# KiCad board SmartCubePanel.kicad_pcb (continued)
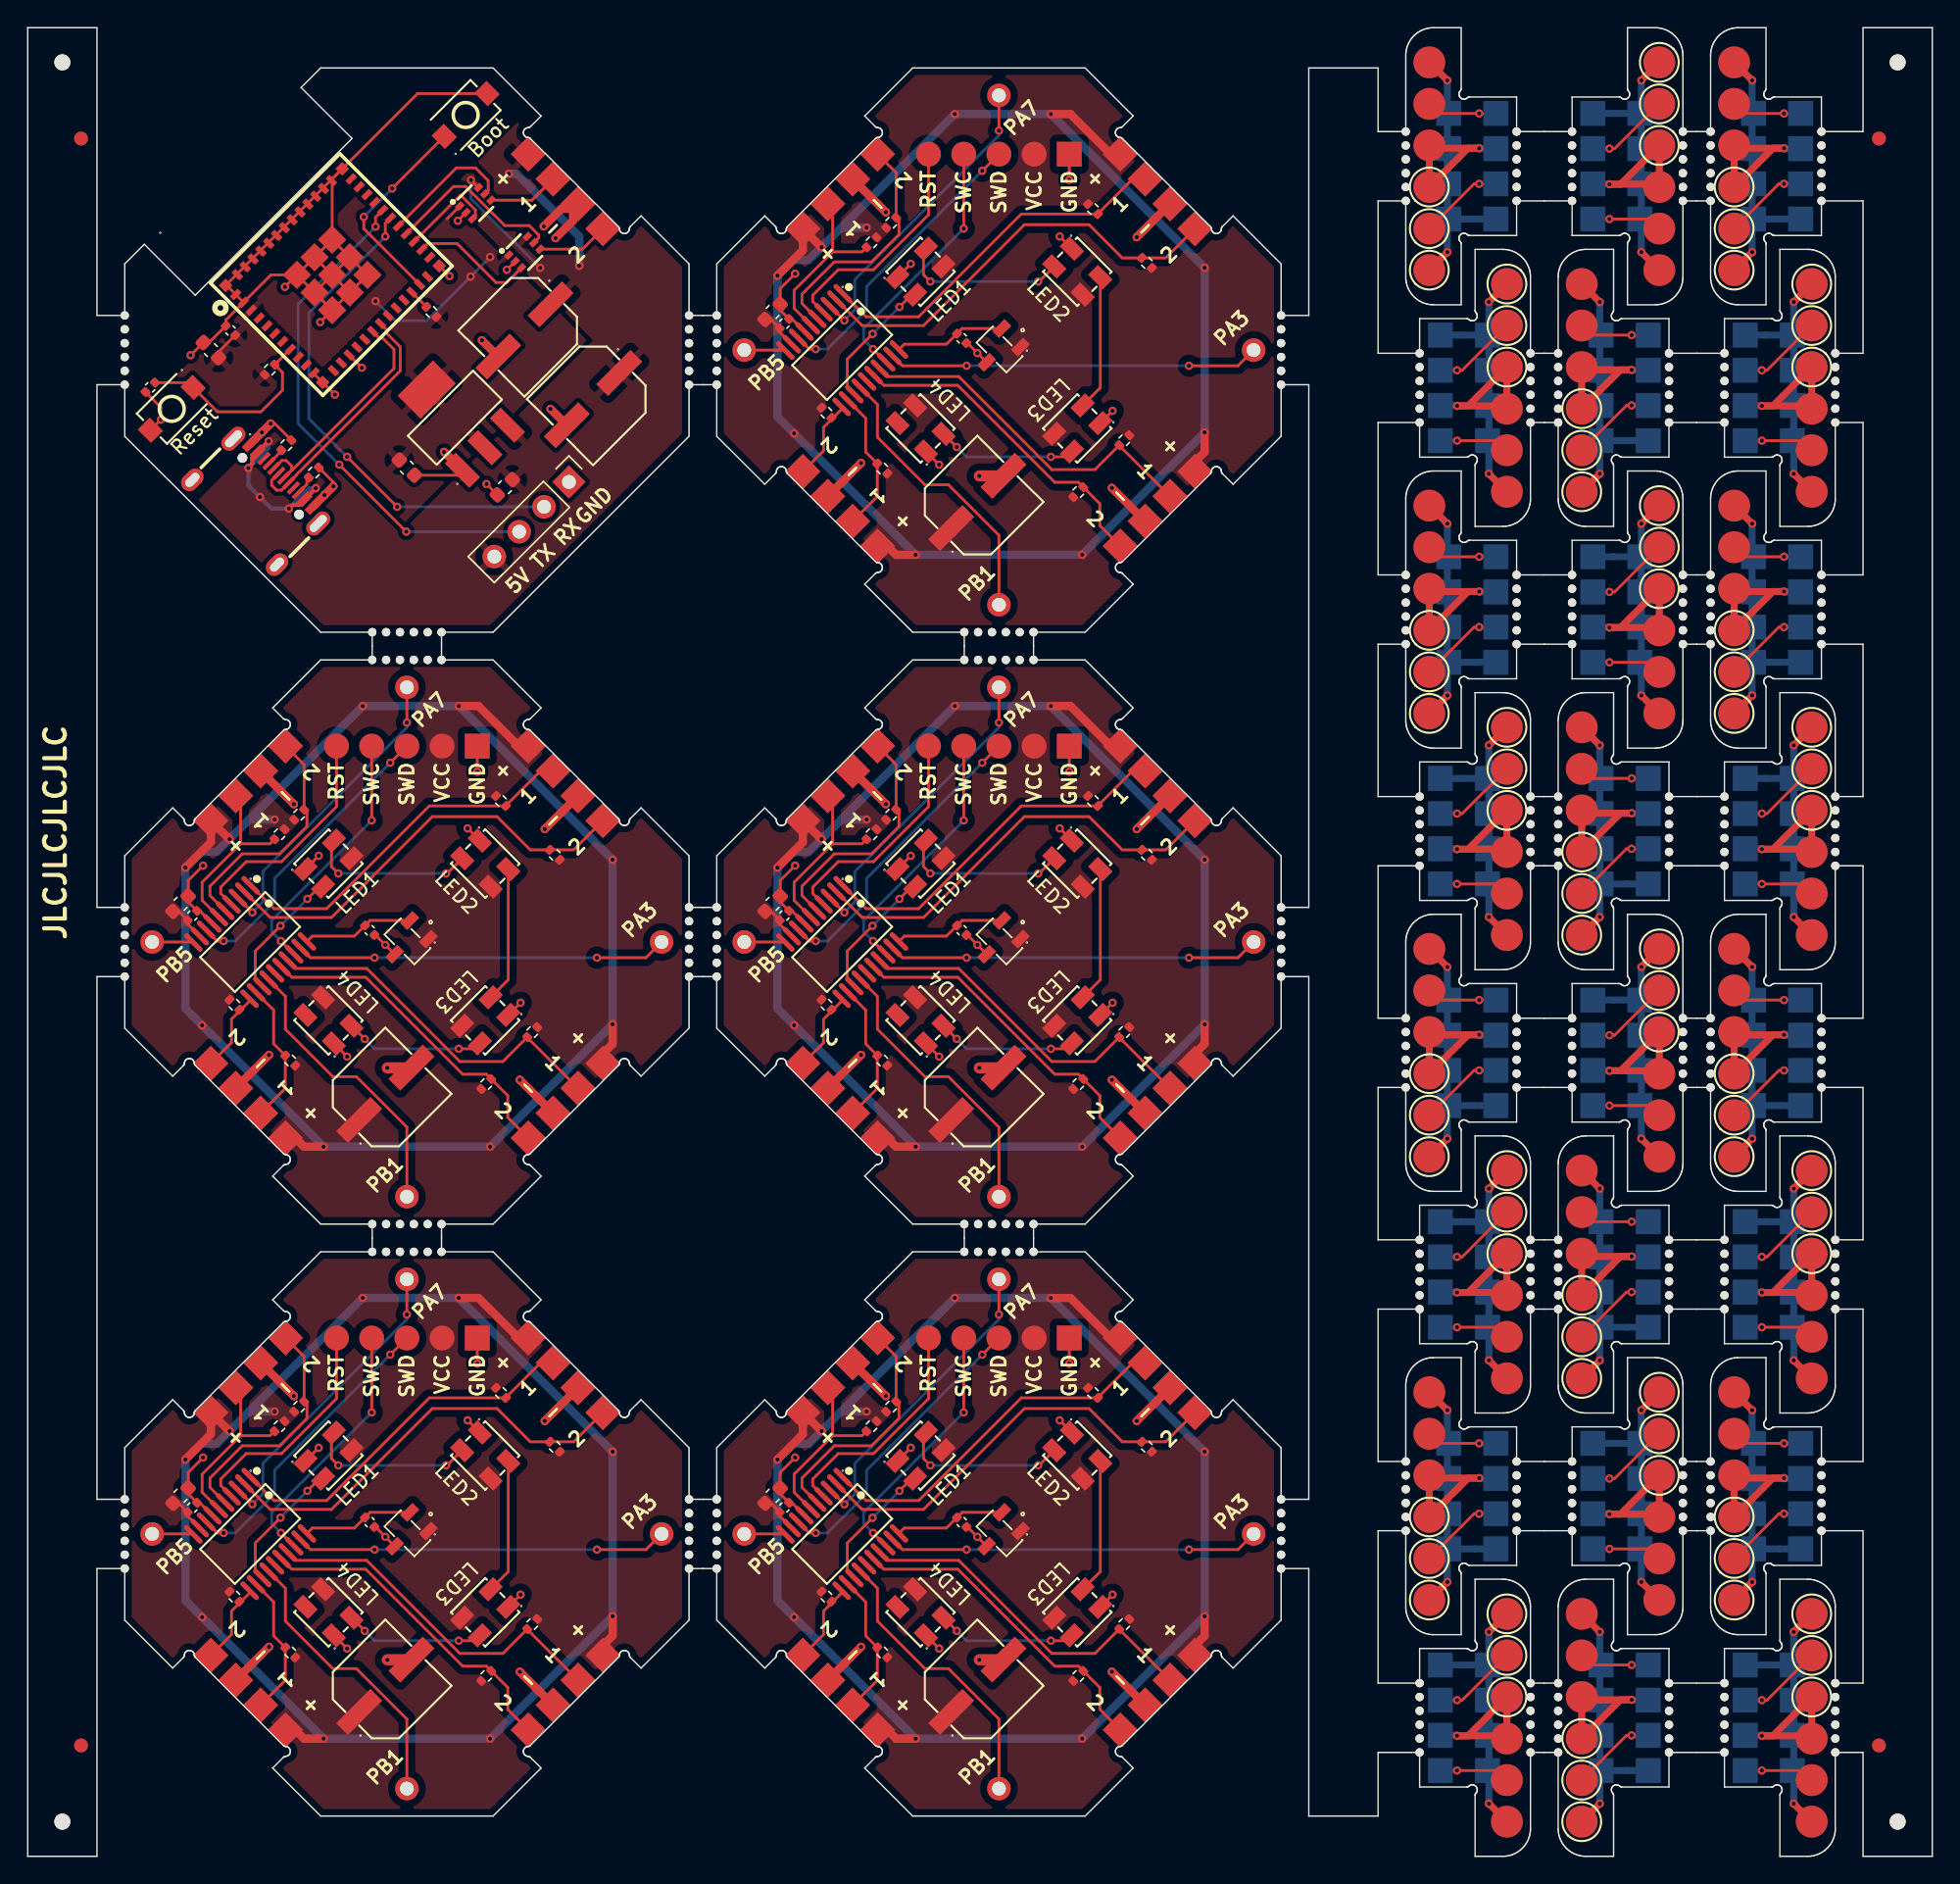
[diagram p0: board, top side]
## Placement (name value [footprint] x y rotation side) (continued)
KiKit_MB_68_2  -  [NPTH]  130.46 11.5 0 top
KiKit_MB_68_3  -  [NPTH]  130.46 10.5 0 top
KiKit_MB_68_4  -  [NPTH]  130.46 9.5 0 top
KiKit_MB_68_5  -  [NPTH]  130.46 8.5 0 top
KiKit_MB_68_6  -  [NPTH]  130.46 7.5 0 top
KiKit_TO_1  -  [NPTH#2]  2.5 129.5 0 top
KiKit_TO_2  -  [NPTH#2]  134.96 129.5 0 top
KiKit_TO_3  -  [NPTH#2]  2.5 2.5 0 top
KiKit_TO_4  -  [NPTH#2]  134.96 2.5 0 top
M_1_C1  10uF  [C_0603_1608Metric]  11.03 68.76 225 top
M_1_C2  100nF  [C_0402_1005Metric]  11.88 67.91 225 top
M_1_C3  10nF  [C_0402_1005Metric]  24.68 66.85 135 top
M_1_C4  470uF Electrolytic  [CAP-SMD_BD6.3-L6.6-W6.6-FD]  25.81 55.04 45 top
M_1_J1  SWD_Programmer  [SWD_Pad]  27.43 80.14 180 top  (not fitted)
M_1_J2  Conn_01x01  [ShieldConnector]  8.84 65.86 45 top  (not fitted)
M_1_J3  Conn_01x01  [ShieldConnector]  27.22 47.47 45 top  (not fitted)
M_1_J4  Conn_01x01  [ShieldConnector]  27.22 84.24 45 top  (not fitted)
M_1_J5  Conn_01x01  [ShieldConnector]  45.61 65.86 45 top  (not fitted)
M_1_LED1  SK6812MINI-HS  [LED-SK6812MINI-HS]  21.71 71.66 225 top
M_1_LED2  SK6812MINI-HS  [LED-SK6812MINI-HS]  33.02 71.66 135 top
M_1_LED3  SK6812MINI-HS  [LED-SK6812MINI-HS]  33.02 60.34 45 top
M_1_LED4  SK6812MINI-HS  [LED-SK6812MINI-HS]  21.71 60.34 315 top
M_1_PinHeaderBottom1  PinHeader  [01x04_PinPads]  38.82 54.54 225 top  (not fitted)
M_1_PinHeaderLeft1  PinHeader  [01x04_PinPads]  15.91 54.54 135 top  (not fitted)
M_1_PinHeaderRight1  PinHeader  [01x04_PinPads]  38.82 77.46 315 top  (not fitted)
M_1_PinHeaderTop1  PinHeader  [01x04_PinPads]  15.91 77.46 45 top  (not fitted)
M_1_R1  10k  [R_0402_1005Metric]  19.59 75.19 45 top
M_1_R2  10k  [R_0402_1005Metric]  18.17 73.78 225 top
M_1_R3  10k  [R_0402_1005Metric]  38.04 72.29 135 top
M_1_R4  10k  [R_0402_1005Metric]  34.15 76.18 315 top
M_1_R5  10k  [R_0402_1005Metric]  33.09 55.75 45 top
M_1_R6  10k  [R_0402_1005Metric]  36.42 59.49 225 top
M_1_R7  10k  [R_0402_1005Metric]  14.92 61.47 315 top
M_1_R8  10k  [R_0402_1005Metric]  18.95 57.44 135 top
M_1_U1  PY32F002BF15P6TU  [Py32]  16.05 66 225 top
M_1_U6  -  [HallLinearSensor]  27.37 66 45 top
M_2_C1  10uF  [C_0603_1608Metric]  11.03 26.03 225 top
M_2_C2  100nF  [C_0402_1005Metric]  11.88 25.18 225 top
M_2_C3  10nF  [C_0402_1005Metric]  24.68 24.12 135 top
M_2_C4  470uF Electrolytic  [CAP-SMD_BD6.3-L6.6-W6.6-FD]  25.81 12.31 45 top
M_2_J1  SWD_Programmer  [SWD_Pad]  27.43 37.41 180 top  (not fitted)
M_2_J2  Conn_01x01  [ShieldConnector]  8.84 23.13 45 top  (not fitted)
M_2_J3  Conn_01x01  [ShieldConnector]  27.22 4.74 45 top  (not fitted)
M_2_J4  Conn_01x01  [ShieldConnector]  27.22 41.51 45 top  (not fitted)
M_2_J5  Conn_01x01  [ShieldConnector]  45.61 23.13 45 top  (not fitted)
M_2_LED1  SK6812MINI-HS  [LED-SK6812MINI-HS]  21.71 28.93 225 top
M_2_LED2  SK6812MINI-HS  [LED-SK6812MINI-HS]  33.02 28.93 135 top
M_2_LED3  SK6812MINI-HS  [LED-SK6812MINI-HS]  33.02 17.61 45 top
M_2_LED4  SK6812MINI-HS  [LED-SK6812MINI-HS]  21.71 17.61 315 top
M_2_PinHeaderBottom1  PinHeader  [01x04_PinPads]  38.82 11.82 225 top  (not fitted)
M_2_PinHeaderLeft1  PinHeader  [01x04_PinPads]  15.91 11.82 135 top  (not fitted)
M_2_PinHeaderRight1  PinHeader  [01x04_PinPads]  38.82 34.73 315 top  (not fitted)
M_2_PinHeaderTop1  PinHeader  [01x04_PinPads]  15.91 34.73 45 top  (not fitted)
M_2_R1  10k  [R_0402_1005Metric]  19.59 32.46 45 top
M_2_R2  10k  [R_0402_1005Metric]  18.17 31.05 225 top
M_2_R3  10k  [R_0402_1005Metric]  38.04 29.56 135 top
M_2_R4  10k  [R_0402_1005Metric]  34.15 33.45 315 top
M_2_R5  10k  [R_0402_1005Metric]  33.09 13.02 45 top
M_2_R6  10k  [R_0402_1005Metric]  36.42 16.77 225 top
M_2_R7  10k  [R_0402_1005Metric]  14.92 18.75 315 top
M_2_R8  10k  [R_0402_1005Metric]  18.95 14.72 135 top
M_2_U1  PY32F002BF15P6TU  [Py32]  16.05 23.27 225 top
M_2_U6  -  [HallLinearSensor]  27.37 23.27 45 top
M_3_C1  10uF  [C_0603_1608Metric]  53.76 111.49 225 top
M_3_C2  100nF  [C_0402_1005Metric]  54.61 110.64 225 top
M_3_C3  10nF  [C_0402_1005Metric]  67.41 109.58 135 top
M_3_C4  470uF Electrolytic  [CAP-SMD_BD6.3-L6.6-W6.6-FD]  68.54 97.77 45 top
M_3_J1  SWD_Programmer  [SWD_Pad]  70.15 122.87 180 top  (not fitted)
M_3_J2  Conn_01x01  [ShieldConnector]  51.57 108.59 45 top  (not fitted)
M_3_J3  Conn_01x01  [ShieldConnector]  69.95 90.2 45 top  (not fitted)
M_3_J4  Conn_01x01  [ShieldConnector]  69.95 126.97 45 top  (not fitted)
M_3_J5  Conn_01x01  [ShieldConnector]  88.34 108.59 45 top  (not fitted)
M_3_LED1  SK6812MINI-HS  [LED-SK6812MINI-HS]  64.44 114.39 225 top
M_3_LED2  SK6812MINI-HS  [LED-SK6812MINI-HS]  75.75 114.39 135 top
M_3_LED3  SK6812MINI-HS  [LED-SK6812MINI-HS]  75.75 103.07 45 top
M_3_LED4  SK6812MINI-HS  [LED-SK6812MINI-HS]  64.44 103.07 315 top
M_3_PinHeaderBottom1  PinHeader  [01x04_PinPads]  81.55 97.27 225 top  (not fitted)
M_3_PinHeaderLeft1  PinHeader  [01x04_PinPads]  58.64 97.27 135 top  (not fitted)
M_3_PinHeaderRight1  PinHeader  [01x04_PinPads]  81.55 120.18 315 top  (not fitted)
M_3_PinHeaderTop1  PinHeader  [01x04_PinPads]  58.64 120.18 45 top  (not fitted)
M_3_R1  10k  [R_0402_1005Metric]  62.32 117.92 45 top
M_3_R2  10k  [R_0402_1005Metric]  60.9 116.51 225 top
M_3_R3  10k  [R_0402_1005Metric]  80.77 115.02 135 top
M_3_R4  10k  [R_0402_1005Metric]  76.88 118.91 315 top
M_3_R5  10k  [R_0402_1005Metric]  75.82 98.48 45 top
M_3_R6  10k  [R_0402_1005Metric]  79.15 102.22 225 top
M_3_R7  10k  [R_0402_1005Metric]  57.65 104.2 315 top
M_3_R8  10k  [R_0402_1005Metric]  61.68 100.17 135 top
M_3_U1  PY32F002BF15P6TU  [Py32]  58.78 108.73 225 top
M_3_U6  -  [HallLinearSensor]  70.09 108.73 45 top
M_4_C1  10uF  [C_0603_1608Metric]  53.76 68.76 225 top
M_4_C2  100nF  [C_0402_1005Metric]  54.61 67.91 225 top
M_4_C3  10nF  [C_0402_1005Metric]  67.41 66.85 135 top
M_4_C4  470uF Electrolytic  [CAP-SMD_BD6.3-L6.6-W6.6-FD]  68.54 55.04 45 top
M_4_J1  SWD_Programmer  [SWD_Pad]  70.15 80.14 180 top  (not fitted)
M_4_J2  Conn_01x01  [ShieldConnector]  51.57 65.86 45 top  (not fitted)
M_4_J3  Conn_01x01  [ShieldConnector]  69.95 47.47 45 top  (not fitted)
M_4_J4  Conn_01x01  [ShieldConnector]  69.95 84.24 45 top  (not fitted)
M_4_J5  Conn_01x01  [ShieldConnector]  88.34 65.86 45 top  (not fitted)
M_4_LED1  SK6812MINI-HS  [LED-SK6812MINI-HS]  64.44 71.66 225 top
M_4_LED2  SK6812MINI-HS  [LED-SK6812MINI-HS]  75.75 71.66 135 top
M_4_LED3  SK6812MINI-HS  [LED-SK6812MINI-HS]  75.75 60.34 45 top
M_4_LED4  SK6812MINI-HS  [LED-SK6812MINI-HS]  64.44 60.34 315 top
M_4_PinHeaderBottom1  PinHeader  [01x04_PinPads]  81.55 54.54 225 top  (not fitted)
M_4_PinHeaderLeft1  PinHeader  [01x04_PinPads]  58.64 54.54 135 top  (not fitted)
M_4_PinHeaderRight1  PinHeader  [01x04_PinPads]  81.55 77.46 315 top  (not fitted)
M_4_PinHeaderTop1  PinHeader  [01x04_PinPads]  58.64 77.46 45 top  (not fitted)
M_4_R1  10k  [R_0402_1005Metric]  62.32 75.19 45 top
M_4_R2  10k  [R_0402_1005Metric]  60.9 73.78 225 top
M_4_R3  10k  [R_0402_1005Metric]  80.77 72.29 135 top
M_4_R4  10k  [R_0402_1005Metric]  76.88 76.18 315 top
M_4_R5  10k  [R_0402_1005Metric]  75.82 55.75 45 top
M_4_R6  10k  [R_0402_1005Metric]  79.15 59.49 225 top
M_4_R7  10k  [R_0402_1005Metric]  57.65 61.47 315 top
M_4_R8  10k  [R_0402_1005Metric]  61.68 57.44 135 top
M_4_U1  PY32F002BF15P6TU  [Py32]  58.78 66 225 top
M_4_U6  -  [HallLinearSensor]  70.09 66 45 top
M_5_C1  10uF  [C_0603_1608Metric]  53.76 26.03 225 top
M_5_C2  100nF  [C_0402_1005Metric]  54.61 25.18 225 top
M_5_C3  10nF  [C_0402_1005Metric]  67.41 24.12 135 top
M_5_C4  470uF Electrolytic  [CAP-SMD_BD6.3-L6.6-W6.6-FD]  68.54 12.31 45 top
M_5_J1  SWD_Programmer  [SWD_Pad]  70.15 37.41 180 top  (not fitted)
M_5_J2  Conn_01x01  [ShieldConnector]  51.57 23.13 45 top  (not fitted)
M_5_J3  Conn_01x01  [ShieldConnector]  69.95 4.74 45 top  (not fitted)
M_5_J4  Conn_01x01  [ShieldConnector]  69.95 41.51 45 top  (not fitted)
M_5_J5  Conn_01x01  [ShieldConnector]  88.34 23.13 45 top  (not fitted)
M_5_LED1  SK6812MINI-HS  [LED-SK6812MINI-HS]  64.44 28.93 225 top
M_5_LED2  SK6812MINI-HS  [LED-SK6812MINI-HS]  75.75 28.93 135 top
M_5_LED3  SK6812MINI-HS  [LED-SK6812MINI-HS]  75.75 17.61 45 top
M_5_LED4  SK6812MINI-HS  [LED-SK6812MINI-HS]  64.44 17.61 315 top
M_5_PinHeaderBottom1  PinHeader  [01x04_PinPads]  81.55 11.82 225 top  (not fitted)
M_5_PinHeaderLeft1  PinHeader  [01x04_PinPads]  58.64 11.82 135 top  (not fitted)
M_5_PinHeaderRight1  PinHeader  [01x04_PinPads]  81.55 34.73 315 top  (not fitted)
M_5_PinHeaderTop1  PinHeader  [01x04_PinPads]  58.64 34.73 45 top  (not fitted)
M_5_R1  10k  [R_0402_1005Metric]  62.32 32.46 45 top
M_5_R2  10k  [R_0402_1005Metric]  60.9 31.05 225 top
M_5_R3  10k  [R_0402_1005Metric]  80.77 29.56 135 top
M_5_R4  10k  [R_0402_1005Metric]  76.88 33.45 315 top
M_5_R5  10k  [R_0402_1005Metric]  75.82 13.02 45 top
M_5_R6  10k  [R_0402_1005Metric]  79.15 16.77 225 top
M_5_R7  10k  [R_0402_1005Metric]  57.65 18.75 315 top
M_5_R8  10k  [R_0402_1005Metric]  61.68 14.72 135 top
M_5_U1  PY32F002BF15P6TU  [Py32]  58.78 23.27 225 top
M_5_U6  -  [HallLinearSensor]  70.09 23.27 45 top
POGO_6_J1  -  [PogoPinPad]  101.16 123.5 180 top  (not fitted)
POGO_6_J2  Conn_01x06  [01x04_PinPads_Single]  105.96 122 90 bottom  (not fitted)
POGO_6_J3  -  [PogoPinPad]  101.16 126.5 180 top  (not fitted)
POGO_6_J4  -  [PogoPinPad]  101.16 129.5 180 top  (not fitted)
POGO_6_J5  Conn_01x06  [01x04_PinPads_Single]  102.56 122 90 bottom  (not fitted)
POGO_6_U1  -  [PogoPin]  101.16 114.5 180 top
POGO_6_U2  -  [PogoPin]  101.16 117.5 180 top
POGO_6_U3  -  [PogoPin]  101.16 120.5 180 top
POGO_7_J1  -  [PogoPinPad]  106.76 104.5 0 top  (not fitted)
POGO_7_J2  Conn_01x06  [01x04_PinPads_Single]  101.96 106 270 bottom  (not fitted)
POGO_7_J3  -  [PogoPinPad]  106.76 101.5 0 top  (not fitted)
POGO_7_J4  -  [PogoPinPad]  106.76 98.5 0 top  (not fitted)
POGO_7_J5  Conn_01x06  [01x04_PinPads_Single]  105.36 106 270 bottom  (not fitted)
POGO_7_U1  -  [PogoPin]  106.76 113.5 0 top
POGO_7_U2  -  [PogoPin]  106.76 110.5 0 top
POGO_7_U3  -  [PogoPin]  106.76 107.5 0 top
POGO_8_J1  -  [PogoPinPad]  101.16 91.5 180 top  (not fitted)
POGO_8_J2  Conn_01x06  [01x04_PinPads_Single]  105.96 90 90 bottom  (not fitted)
POGO_8_J3  -  [PogoPinPad]  101.16 94.5 180 top  (not fitted)
POGO_8_J4  -  [PogoPinPad]  101.16 97.5 180 top  (not fitted)
POGO_8_J5  Conn_01x06  [01x04_PinPads_Single]  102.56 90 90 bottom  (not fitted)
POGO_8_U1  -  [PogoPin]  101.16 82.5 180 top
POGO_8_U2  -  [PogoPin]  101.16 85.5 180 top
POGO_8_U3  -  [PogoPin]  101.16 88.5 180 top
POGO_9_J1  -  [PogoPinPad]  106.76 72.5 0 top  (not fitted)
POGO_9_J2  Conn_01x06  [01x04_PinPads_Single]  101.96 74 270 bottom  (not fitted)
POGO_9_J3  -  [PogoPinPad]  106.76 69.5 0 top  (not fitted)
POGO_9_J4  -  [PogoPinPad]  106.76 66.5 0 top  (not fitted)
POGO_9_J5  Conn_01x06  [01x04_PinPads_Single]  105.36 74 270 bottom  (not fitted)
POGO_9_U1  -  [PogoPin]  106.76 81.5 0 top
POGO_9_U2  -  [PogoPin]  106.76 78.5 0 top
POGO_9_U3  -  [PogoPin]  106.76 75.5 0 top
POGO_10_J1  -  [PogoPinPad]  101.16 59.5 180 top  (not fitted)
POGO_10_J2  Conn_01x06  [01x04_PinPads_Single]  105.96 58 90 bottom  (not fitted)
POGO_10_J3  -  [PogoPinPad]  101.16 62.5 180 top  (not fitted)
POGO_10_J4  -  [PogoPinPad]  101.16 65.5 180 top  (not fitted)
POGO_10_J5  Conn_01x06  [01x04_PinPads_Single]  102.56 58 90 bottom  (not fitted)
POGO_10_U1  -  [PogoPin]  101.16 50.5 180 top
POGO_10_U2  -  [PogoPin]  101.16 53.5 180 top
POGO_10_U3  -  [PogoPin]  101.16 56.5 180 top
POGO_11_J1  -  [PogoPinPad]  106.76 40.5 0 top  (not fitted)
POGO_11_J2  Conn_01x06  [01x04_PinPads_Single]  101.96 42 270 bottom  (not fitted)
POGO_11_J3  -  [PogoPinPad]  106.76 37.5 0 top  (not fitted)
POGO_11_J4  -  [PogoPinPad]  106.76 34.5 0 top  (not fitted)
POGO_11_J5  Conn_01x06  [01x04_PinPads_Single]  105.36 42 270 bottom  (not fitted)
POGO_11_U1  -  [PogoPin]  106.76 49.5 0 top
POGO_11_U2  -  [PogoPin]  106.76 46.5 0 top
POGO_11_U3  -  [PogoPin]  106.76 43.5 0 top
POGO_12_J1  -  [PogoPinPad]  101.16 27.5 180 top  (not fitted)
POGO_12_J2  Conn_01x06  [01x04_PinPads_Single]  105.96 26 90 bottom  (not fitted)
POGO_12_J3  -  [PogoPinPad]  101.16 30.5 180 top  (not fitted)
POGO_12_J4  -  [PogoPinPad]  101.16 33.5 180 top  (not fitted)
POGO_12_J5  Conn_01x06  [01x04_PinPads_Single]  102.56 26 90 bottom  (not fitted)
POGO_12_U1  -  [PogoPin]  101.16 18.5 180 top
POGO_12_U2  -  [PogoPin]  101.16 21.5 180 top
POGO_12_U3  -  [PogoPin]  101.16 24.5 180 top
POGO_13_J1  -  [PogoPinPad]  106.76 8.5 0 top  (not fitted)
POGO_13_J2  Conn_01x06  [01x04_PinPads_Single]  101.96 10 270 bottom  (not fitted)
POGO_13_J3  -  [PogoPinPad]  106.76 5.5 0 top  (not fitted)
POGO_13_J4  -  [PogoPinPad]  106.76 2.5 0 top  (not fitted)
POGO_13_J5  Conn_01x06  [01x04_PinPads_Single]  105.36 10 270 bottom  (not fitted)
POGO_13_U1  -  [PogoPin]  106.76 17.5 0 top
POGO_13_U2  -  [PogoPin]  106.76 14.5 0 top
POGO_13_U3  -  [PogoPin]  106.76 11.5 0 top
POGO_14_J1  -  [PogoPinPad]  117.76 120.5 0 top  (not fitted)
POGO_14_J2  Conn_01x06  [01x04_PinPads_Single]  112.96 122 270 bottom  (not fitted)
POGO_14_J3  -  [PogoPinPad]  117.76 117.5 0 top  (not fitted)
POGO_14_J4  -  [PogoPinPad]  117.76 114.5 0 top  (not fitted)
POGO_14_J5  Conn_01x06  [01x04_PinPads_Single]  116.36 122 270 bottom  (not fitted)
POGO_14_U1  -  [PogoPin]  117.76 129.5 0 top
POGO_14_U2  -  [PogoPin]  117.76 126.5 0 top
POGO_14_U3  -  [PogoPin]  117.76 123.5 0 top
POGO_15_J1  -  [PogoPinPad]  112.16 107.5 180 top  (not fitted)
POGO_15_J2  Conn_01x06  [01x04_PinPads_Single]  116.96 106 90 bottom  (not fitted)
POGO_15_J3  -  [PogoPinPad]  112.16 110.5 180 top  (not fitted)
POGO_15_J4  -  [PogoPinPad]  112.16 113.5 180 top  (not fitted)
POGO_15_J5  Conn_01x06  [01x04_PinPads_Single]  113.56 106 90 bottom  (not fitted)
POGO_15_U1  -  [PogoPin]  112.16 98.5 180 top
POGO_15_U2  -  [PogoPin]  112.16 101.5 180 top
POGO_15_U3  -  [PogoPin]  112.16 104.5 180 top
POGO_16_J1  -  [PogoPinPad]  117.76 88.5 0 top  (not fitted)
POGO_16_J2  Conn_01x06  [01x04_PinPads_Single]  112.96 90 270 bottom  (not fitted)
POGO_16_J3  -  [PogoPinPad]  117.76 85.5 0 top  (not fitted)
POGO_16_J4  -  [PogoPinPad]  117.76 82.5 0 top  (not fitted)
POGO_16_J5  Conn_01x06  [01x04_PinPads_Single]  116.36 90 270 bottom  (not fitted)
POGO_16_U1  -  [PogoPin]  117.76 97.5 0 top
POGO_16_U2  -  [PogoPin]  117.76 94.5 0 top
POGO_16_U3  -  [PogoPin]  117.76 91.5 0 top
POGO_17_J1  -  [PogoPinPad]  112.16 75.5 180 top  (not fitted)
POGO_17_J2  Conn_01x06  [01x04_PinPads_Single]  116.96 74 90 bottom  (not fitted)
POGO_17_J3  -  [PogoPinPad]  112.16 78.5 180 top  (not fitted)
POGO_17_J4  -  [PogoPinPad]  112.16 81.5 180 top  (not fitted)
POGO_17_J5  Conn_01x06  [01x04_PinPads_Single]  113.56 74 90 bottom  (not fitted)
POGO_17_U1  -  [PogoPin]  112.16 66.5 180 top
POGO_17_U2  -  [PogoPin]  112.16 69.5 180 top
POGO_17_U3  -  [PogoPin]  112.16 72.5 180 top
POGO_18_J1  -  [PogoPinPad]  117.76 56.5 0 top  (not fitted)
POGO_18_J2  Conn_01x06  [01x04_PinPads_Single]  112.96 58 270 bottom  (not fitted)
POGO_18_J3  -  [PogoPinPad]  117.76 53.5 0 top  (not fitted)
POGO_18_J4  -  [PogoPinPad]  117.76 50.5 0 top  (not fitted)
POGO_18_J5  Conn_01x06  [01x04_PinPads_Single]  116.36 58 270 bottom  (not fitted)
POGO_18_U1  -  [PogoPin]  117.76 65.5 0 top
POGO_18_U2  -  [PogoPin]  117.76 62.5 0 top
POGO_18_U3  -  [PogoPin]  117.76 59.5 0 top
POGO_19_J1  -  [PogoPinPad]  112.16 43.5 180 top  (not fitted)
POGO_19_J2  Conn_01x06  [01x04_PinPads_Single]  116.96 42 90 bottom  (not fitted)
POGO_19_J3  -  [PogoPinPad]  112.16 46.5 180 top  (not fitted)
POGO_19_J4  -  [PogoPinPad]  112.16 49.5 180 top  (not fitted)
POGO_19_J5  Conn_01x06  [01x04_PinPads_Single]  113.56 42 90 bottom  (not fitted)
POGO_19_U1  -  [PogoPin]  112.16 34.5 180 top
POGO_19_U2  -  [PogoPin]  112.16 37.5 180 top
POGO_19_U3  -  [PogoPin]  112.16 40.5 180 top
POGO_20_J1  -  [PogoPinPad]  117.76 24.5 0 top  (not fitted)
POGO_20_J2  Conn_01x06  [01x04_PinPads_Single]  112.96 26 270 bottom  (not fitted)
POGO_20_J3  -  [PogoPinPad]  117.76 21.5 0 top  (not fitted)
POGO_20_J4  -  [PogoPinPad]  117.76 18.5 0 top  (not fitted)
POGO_20_J5  Conn_01x06  [01x04_PinPads_Single]  116.36 26 270 bottom  (not fitted)
POGO_20_U1  -  [PogoPin]  117.76 33.5 0 top
POGO_20_U2  -  [PogoPin]  117.76 30.5 0 top
POGO_20_U3  -  [PogoPin]  117.76 27.5 0 top
POGO_21_J1  -  [PogoPinPad]  112.16 11.5 180 top  (not fitted)
POGO_21_J2  Conn_01x06  [01x04_PinPads_Single]  116.96 10 90 bottom  (not fitted)
POGO_21_J3  -  [PogoPinPad]  112.16 14.5 180 top  (not fitted)
POGO_21_J4  -  [PogoPinPad]  112.16 17.5 180 top  (not fitted)
POGO_21_J5  Conn_01x06  [01x04_PinPads_Single]  113.56 10 90 bottom  (not fitted)
POGO_21_U1  -  [PogoPin]  112.16 2.5 180 top
POGO_21_U2  -  [PogoPin]  112.16 5.5 180 top
POGO_21_U3  -  [PogoPin]  112.16 8.5 180 top
POGO_22_J1  -  [PogoPinPad]  123.16 123.5 180 top  (not fitted)
POGO_22_J2  Conn_01x06  [01x04_PinPads_Single]  127.96 122 90 bottom  (not fitted)
POGO_22_J3  -  [PogoPinPad]  123.16 126.5 180 top  (not fitted)
POGO_22_J4  -  [PogoPinPad]  123.16 129.5 180 top  (not fitted)
POGO_22_J5  Conn_01x06  [01x04_PinPads_Single]  124.56 122 90 bottom  (not fitted)
POGO_22_U1  -  [PogoPin]  123.16 114.5 180 top
POGO_22_U2  -  [PogoPin]  123.16 117.5 180 top
POGO_22_U3  -  [PogoPin]  123.16 120.5 180 top
POGO_23_J1  -  [PogoPinPad]  128.76 104.5 0 top  (not fitted)
POGO_23_J2  Conn_01x06  [01x04_PinPads_Single]  123.96 106 270 bottom  (not fitted)
POGO_23_J3  -  [PogoPinPad]  128.76 101.5 0 top  (not fitted)
POGO_23_J4  -  [PogoPinPad]  128.76 98.5 0 top  (not fitted)
POGO_23_J5  Conn_01x06  [01x04_PinPads_Single]  127.36 106 270 bottom  (not fitted)
POGO_23_U1  -  [PogoPin]  128.76 113.5 0 top
POGO_23_U2  -  [PogoPin]  128.76 110.5 0 top
POGO_23_U3  -  [PogoPin]  128.76 107.5 0 top
POGO_24_J1  -  [PogoPinPad]  123.16 91.5 180 top  (not fitted)
POGO_24_J2  Conn_01x06  [01x04_PinPads_Single]  127.96 90 90 bottom  (not fitted)
POGO_24_J3  -  [PogoPinPad]  123.16 94.5 180 top  (not fitted)
POGO_24_J4  -  [PogoPinPad]  123.16 97.5 180 top  (not fitted)
POGO_24_J5  Conn_01x06  [01x04_PinPads_Single]  124.56 90 90 bottom  (not fitted)
POGO_24_U1  -  [PogoPin]  123.16 82.5 180 top
POGO_24_U2  -  [PogoPin]  123.16 85.5 180 top
POGO_24_U3  -  [PogoPin]  123.16 88.5 180 top
POGO_25_J1  -  [PogoPinPad]  128.76 72.5 0 top  (not fitted)
POGO_25_J2  Conn_01x06  [01x04_PinPads_Single]  123.96 74 270 bottom  (not fitted)
POGO_25_J3  -  [PogoPinPad]  128.76 69.5 0 top  (not fitted)
POGO_25_J4  -  [PogoPinPad]  128.76 66.5 0 top  (not fitted)
POGO_25_J5  Conn_01x06  [01x04_PinPads_Single]  127.36 74 270 bottom  (not fitted)
POGO_25_U1  -  [PogoPin]  128.76 81.5 0 top
POGO_25_U2  -  [PogoPin]  128.76 78.5 0 top
POGO_25_U3  -  [PogoPin]  128.76 75.5 0 top
POGO_26_J1  -  [PogoPinPad]  123.16 59.5 180 top  (not fitted)
POGO_26_J2  Conn_01x06  [01x04_PinPads_Single]  127.96 58 90 bottom  (not fitted)
POGO_26_J3  -  [PogoPinPad]  123.16 62.5 180 top  (not fitted)
POGO_26_J4  -  [PogoPinPad]  123.16 65.5 180 top  (not fitted)
POGO_26_J5  Conn_01x06  [01x04_PinPads_Single]  124.56 58 90 bottom  (not fitted)
POGO_26_U1  -  [PogoPin]  123.16 50.5 180 top
POGO_26_U2  -  [PogoPin]  123.16 53.5 180 top
POGO_26_U3  -  [PogoPin]  123.16 56.5 180 top
POGO_27_J1  -  [PogoPinPad]  128.76 40.5 0 top  (not fitted)
POGO_27_J2  Conn_01x06  [01x04_PinPads_Single]  123.96 42 270 bottom  (not fitted)
POGO_27_J3  -  [PogoPinPad]  128.76 37.5 0 top  (not fitted)
POGO_27_J4  -  [PogoPinPad]  128.76 34.5 0 top  (not fitted)
POGO_27_J5  Conn_01x06  [01x04_PinPads_Single]  127.36 42 270 bottom  (not fitted)
POGO_27_U1  -  [PogoPin]  128.76 49.5 0 top
POGO_27_U2  -  [PogoPin]  128.76 46.5 0 top
POGO_27_U3  -  [PogoPin]  128.76 43.5 0 top
POGO_28_J1  -  [PogoPinPad]  123.16 27.5 180 top  (not fitted)
POGO_28_J2  Conn_01x06  [01x04_PinPads_Single]  127.96 26 90 bottom  (not fitted)
POGO_28_J3  -  [PogoPinPad]  123.16 30.5 180 top  (not fitted)
POGO_28_J4  -  [PogoPinPad]  123.16 33.5 180 top  (not fitted)
POGO_28_J5  Conn_01x06  [01x04_PinPads_Single]  124.56 26 90 bottom  (not fitted)
POGO_28_U1  -  [PogoPin]  123.16 18.5 180 top
POGO_28_U2  -  [PogoPin]  123.16 21.5 180 top
POGO_28_U3  -  [PogoPin]  123.16 24.5 180 top
POGO_29_J1  -  [PogoPinPad]  128.76 8.5 0 top  (not fitted)
POGO_29_J2  Conn_01x06  [01x04_PinPads_Single]  123.96 10 270 bottom  (not fitted)
POGO_29_J3  -  [PogoPinPad]  128.76 5.5 0 top  (not fitted)
POGO_29_J4  -  [PogoPinPad]  128.76 2.5 0 top  (not fitted)
POGO_29_J5  Conn_01x06  [01x04_PinPads_Single]  127.36 10 270 bottom  (not fitted)
POGO_29_U1  -  [PogoPin]  128.76 17.5 0 top
POGO_29_U2  -  [PogoPin]  128.76 14.5 0 top
POGO_29_U3  -  [PogoPin]  128.76 11.5 0 top
PSU_0_C1  100nF-Ceramic  [C_0402_1005Metric]  8.84 106.04 225 top
PSU_0_C2  10uF  [C_0603_1608Metric]  13.22 108.73 135 top
PSU_0_C3  10nF  [C_0402_1005Metric]  14.64 110.14 135 top
PSU_0_C4  10uF  [C_0603_1608Metric]  34.44 98.83 45 top
PSU_0_C5  10uF  [C_0603_1608Metric]  27.37 100.24 315 top
PSU_0_C6  ElectrolyticCapacitorSMD  [CAP-SMD_BD6.3-L6.6-W6.6-FD]  35.85 110.14 225 top
PSU_0_C7  ElectrolyticCapacitorSMD  [CAP-SMD_BD6.3-L6.6-W6.6-FD]  40.8 105.19 225 top
PSU_0_J1  Conn_01x03  [PinHeader_1x04_P2.54mm_Vertical]  39.06 99.21 315 top  (not fitted)
PSU_0_R1  10k  [R_0402_1005Metric]  17.47 107.31 45 top
PSU_0_R2  10k  [R_0402_1005Metric]  29.13 111.49 315 top
PSU_0_R3  5k1  [R_0402_1005Metric]  18.67 101.87 225 top
PSU_0_R4  5k1  [R_0402_1005Metric]  20.65 99.89 225 top
PSU_0_U2  Tactile-Switch  [Button]  10.4 104.49 45 top
PSU_0_U3  Tactile-Switch  [Button]  31.61 125.7 225 top
PSU_0_U4  ESP32-C6-MINI-1-N4  [ESP32C6-Mini-1-N4]  21.99 114.1 45 top
PSU_0_U5  BidirectionalLogicLevelShifter  [BidirectionalLogicLevelConverter]  35.85 115.8 225 top
PSU_0_U6  LinearVoltageRegulator  [VoltageRegulator]  30.9 103.78 315 top
PSU_0_U7  USB-TypeC  [USB-C-SMD_TYPE-C-6PIN-2MD-073]  16.62 97.98 315 top
PSU_0_U8  BidirectionalLogicLevelShifter  [BidirectionalLogicLevelConverter]  32.32 119.34 225 top
PSU_0_U9  PinHeaderRight  [01x04_PinPads]  38.82 120.18 315 top

## Library data of the parts
M_1_C1 M_2_C1 M_3_C1 M_4_C1 M_5_C1 PSU_0_C4 PSU_0_C5 = -: Description: Unpolarized capacitor; LCSC: C19702
M_1_C2 M_2_C2 M_3_C2 M_4_C2 M_5_C2 = -: Description: Unpolarized capacitor; LCSC: C1525
M_1_C3 M_2_C3 M_3_C3 M_4_C3 M_5_C3 = -: Description: Unpolarized capacitor; LCSC: C15195
M_1_C4 M_2_C4 M_3_C4 M_4_C4 M_5_C4 PSU_0_C6 PSU_0_C7 = -: Datasheet: https://item.szlcsc.com/265679.html; LCSC: C335982
M_1_J1 M_2_J1 M_3_J1 M_4_J1 M_5_J1 = -: Description: Generic connector, single row, 01x05, script generated (kicad-library-utils/schlib/autogen/connector/)
M_1_J2-M_1_J5 M_2_J2-M_2_J5 M_3_J2-M_3_J5 M_4_J2-M_4_J5 M_5_J2-M_5_J5 POGO_6_J1 POGO_6_J3 POGO_6_J4 POGO_7_J1 POGO_7_J3 POGO_7_J4 POGO_8_J1 POGO_8_J3 POGO_8_J4 POGO_9_J1 POGO_9_J3 POGO_9_J4 POGO_10_J1 POGO_10_J3 POGO_10_J4 POGO_11_J1 POGO_11_J3 POGO_11_J4 POGO_12_J1 POGO_12_J3 POGO_12_J4 POGO_13_J1 POGO_13_J3 POGO_13_J4 POGO_14_J1 POGO_14_J3 POGO_14_J4 POGO_15_J1 POGO_15_J3 POGO_15_J4 POGO_16_J1 POGO_16_J3 POGO_16_J4 POGO_17_J1 POGO_17_J3 POGO_17_J4 POGO_18_J1 POGO_18_J3 POGO_18_J4 POGO_19_J1 POGO_19_J3 POGO_19_J4 POGO_20_J1 POGO_20_J3 POGO_20_J4 POGO_21_J1 POGO_21_J3 POGO_21_J4 POGO_22_J1 POGO_22_J3 POGO_22_J4 POGO_23_J1 POGO_23_J3 POGO_23_J4 POGO_24_J1 POGO_24_J3 POGO_24_J4 POGO_25_J1 POGO_25_J3 POGO_25_J4 POGO_26_J1 POGO_26_J3 POGO_26_J4 POGO_27_J1 POGO_27_J3 POGO_27_J4 POGO_28_J1 POGO_28_J3 POGO_28_J4 POGO_29_J1 POGO_29_J3 POGO_29_J4 = -: Description: Generic connector, single row, 01x01, script generated (kicad-library-utils/schlib/autogen/connector/)
M_1_LED1-M_1_LED4 M_2_LED1-M_2_LED4 M_3_LED1-M_3_LED4 M_4_LED1-M_4_LED4 M_5_LED1-M_5_LED4 = -: Datasheet: https://img.jlc.com/pdf/applyPasteComponent/2021-11-17/554769A/a77f6abd580f4801839c6cef98018a08/SK6812MINI-HS.pdf; LCSC: C2922787
M_1_PinHeaderBottom1 M_1_PinHeaderLeft1 M_1_PinHeaderRight1 M_1_PinHeaderTop1 M_2_PinHeaderBottom1 M_2_PinHeaderLeft1 M_2_PinHeaderRight1 M_2_PinHeaderTop1 M_3_PinHeaderBottom1 M_3_PinHeaderLeft1 M_3_PinHeaderRight1 M_3_PinHeaderTop1 M_4_PinHeaderBottom1 M_4_PinHeaderLeft1 M_4_PinHeaderRight1 M_4_PinHeaderTop1 M_5_PinHeaderBottom1 M_5_PinHeaderLeft1 M_5_PinHeaderRight1 M_5_PinHeaderTop1 PSU_0_U9 = -: Description: Generic connector, single row, 01x04, script generated (kicad-library-utils/schlib/autogen/connector/); LCSC: C492414
M_1_R1-M_1_R8 M_2_R1-M_2_R8 M_3_R1-M_3_R8 M_4_R1-M_4_R8 M_5_R1-M_5_R8 = -: Description: Resistor; LCSC: C25744
M_1_U1 M_2_U1 M_3_U1 M_4_U1 M_5_U1 = -: Datasheet: https://item.szlcsc.com/8600.html; LCSC: C7469098
M_1_U6 M_2_U6 M_3_U6 M_4_U6 M_5_U6 = -: Datasheet: https://item.szlcsc.com/14454.html; LCSC: C7420984
POGO_6_J2 POGO_6_J5 POGO_7_J2 POGO_7_J5 POGO_8_J2 POGO_8_J5 POGO_9_J2 POGO_9_J5 POGO_10_J2 POGO_10_J5 POGO_11_J2 POGO_11_J5 POGO_12_J2 POGO_12_J5 POGO_13_J2 POGO_13_J5 POGO_14_J2 POGO_14_J5 POGO_15_J2 POGO_15_J5 POGO_16_J2 POGO_16_J5 POGO_17_J2 POGO_17_J5 POGO_18_J2 POGO_18_J5 POGO_19_J2 POGO_19_J5 POGO_20_J2 POGO_20_J5 POGO_21_J2 POGO_21_J5 POGO_22_J2 POGO_22_J5 POGO_23_J2 POGO_23_J5 POGO_24_J2 POGO_24_J5 POGO_25_J2 POGO_25_J5 POGO_26_J2 POGO_26_J5 POGO_27_J2 POGO_27_J5 POGO_28_J2 POGO_28_J5 POGO_29_J2 POGO_29_J5 = -: Description: Generic connector, single row, 01x04, script generated (kicad-library-utils/schlib/autogen/connector/)
POGO_6_U1-POGO_6_U3 POGO_7_U1-POGO_7_U3 POGO_8_U1-POGO_8_U3 POGO_9_U1-POGO_9_U3 POGO_10_U1-POGO_10_U3 POGO_11_U1-POGO_11_U3 POGO_12_U1-POGO_12_U3 POGO_13_U1-POGO_13_U3 POGO_14_U1-POGO_14_U3 POGO_15_U1-POGO_15_U3 POGO_16_U1-POGO_16_U3 POGO_17_U1-POGO_17_U3 POGO_18_U1-POGO_18_U3 POGO_19_U1-POGO_19_U3 POGO_20_U1-POGO_20_U3 POGO_21_U1-POGO_21_U3 POGO_22_U1-POGO_22_U3 POGO_23_U1-POGO_23_U3 POGO_24_U1-POGO_24_U3 POGO_25_U1-POGO_25_U3 POGO_26_U1-POGO_26_U3 POGO_27_U1-POGO_27_U3 POGO_28_U1-POGO_28_U3 POGO_29_U1-POGO_29_U3 = -: Datasheet: https://atta.szlcsc.com/upload/public/pdf/source/20220930/797C47F6E516FCCEE965EDB3D3E562E0.pdf; LCSC: C2988082
PSU_0_C1 = -: LCSC: C1525; MPN: C1525
PSU_0_C2 = -: LCSC: C19702; MPN: C15525
PSU_0_C3 = -: LCSC: C15195; MPN: C15195
PSU_0_J1 = -: Description: Generic connector, single row, 01x04, script generated (kicad-library-utils/schlib/autogen/connector/); MPN: /
PSU_0_R1 PSU_0_R2 = -: LCSC: C25744; MPN: C25744
PSU_0_R3 PSU_0_R4 = -: LCSC: C25905; MPN: C25905
PSU_0_U2 PSU_0_U3 = -: Datasheet: https://item.szlcsc.com/457636.html; LCSC: C720477; MPN: C720477
PSU_0_U4 = -: Datasheet: https://eu.mouser.com/datasheet/2/891/esp32_c6_mini_1_datasheet_en-3105735.pdf; LCSC: C5736265
PSU_0_U5 PSU_0_U8 = -: Datasheet: https://item.szlcsc.com/112963.html; LCSC: C168855
PSU_0_U6 = -: Datasheet: https://item.szlcsc.com/410724.html; LCSC: C6186
PSU_0_U7 = -: Datasheet: https://atta.szlcsc.com/upload/public/pdf/source/20210409/C2765186_34D42616F62DF94D17C4D63D74D9FD03.pdf; LCSC: C2765186

## Footprints (pads in the part's own frame, mm; a bottom-side part is the same pattern mirrored in y, then rotated)
01x04_PinPads
  rect 1.8x1.8 smd far side: (-3.81,0) (-1.27,0) (1.27,0) (3.81,0)
  rect 1.8x1.8 smd: 1(-3.81,0) 2(-1.27,0) 3(1.27,0) 4(3.81,0)
01x04_PinPads_Single
  rect 1.8x1.8 smd: 1(-3.81,0) 2(-1.27,0) 3(1.27,0) 4(3.81,0)
BidirectionalLogicLevelConverter
  rect 0.6x0.42 smd: 1(0.95,-0.65) 2(0.95,0) 3(0.95,0.65) 4(-0.95,0.65) 5(-0.95,0) 6(-0.95,-0.65)
Button
  rect 1.23x1.36 smd: 1(-2.185,0) 2(2.185,0)
C_0402_1005Metric
  rrect 0.56x0.62 smd: 1(-0.48,0) 2(0.48,0)
C_0603_1608Metric
  rrect 0.9x0.95 smd: 1(-0.775,0) 2(0.775,0)
CAP-SMD_BD6.3-L6.6-W6.6-FD
  rect 3.5x1.2 smd: 1(-2.67,0) 2(2.67,0)
ESP32C6-Mini-1-N4
  rect 0.8x0.4 smd: 1(-5.9,3.975) 2(-5.9,3.175) 3(-5.9,2.375) 4(-5.9,1.575) 5(-5.9,0.775) 6(-5.9,-0.025) 7(-5.9,-0.825) 8(-5.9,-1.625) 9(-5.9,-2.425) 10(-5.9,-3.225) 11(-5.9,-4.025) 25(5.9,-4.025) 26(5.9,-3.225) 27(5.9,-2.425) 28(5.9,-1.625) 29(5.9,-0.825) 30(5.9,-0.025) 31(5.9,0.775) 32(5.9,1.575) 33(5.9,2.375) 34(5.9,3.175) 35(5.9,3.975)
  rect 0.4x0.8 smd: 12(-4.8,-4.9) 13(-4,-4.9) 14(-3.2,-4.9) 15(-2.4,-4.9) 16(-1.6,-4.9) 17(-0.8,-4.9) 18(0,-4.9) 19(0.8,-4.9) 20(1.6,-4.9) 21(2.4,-4.9) 22(3.2,-4.9) 23(4,-4.9) 24(4.8,-4.9) 36(4.8,4.9) 37(4,4.9) 38(3.2,4.9) 39(2.4,4.9) 40(1.6,4.9) 41(0.8,4.9) 42(0,4.9) 43(-0.8,4.9) 44(-1.6,4.9) 45(-2.4,4.9) 46(-3.2,4.9) 47(-4,4.9) 48(-4.8,4.9)
  rect 1.45x1.45 smd: 49(-1.775,0.05) 49(-1.775,-1.75) 49(-1.775,1.85) 49(0.025,1.85) 49(0.025,0.05) 49(0.025,-1.75) 49(1.825,1.85) 49(1.825,0.05) 49(1.825,-1.75)
  rect 0.7x0.7 smd: 50(5.95,4.95) 51(5.95,-4.95) 52(-5.95,-4.95) 53(-5.95,4.95)
Fiducial
  round 1 smd: (0,0)
HallLinearSensor
  rect 1.25x0.7 smd: 1(1.25,-0.95) 2(-1.25,0) 3(1.25,0.95)
LED-SK6812MINI-HS
  rect 1.5x1 smd: 1(1.45,-0.9) 2(1.45,0.9) 3(-1.45,0.9) 4(-1.45,-0.9)
NPTH
  round 0.6 hole 0.6 unplated: (0,0)
NPTH#2
  round 1.152 hole 1.152 unplated: (0,0)
PinHeader_1x04_P2.54mm_Vertical
  rect 1.7x1.7 hole 1: 1(0,0)
  oval 1.7x1.7 hole 1: 2(0,-2.54) 3(0,-5.08) 4(0,-7.62)
PogoPin
  round 2.3 smd: 1(0,0)
PogoPinPad
  round 2.3 smd: 1(0,0)
Py32
  oval 0.364x1.742 smd: 1(-2.925,-2.871) 2(-2.275,-2.871) 3(-1.625,-2.871) 4(-0.975,-2.871) 5(-0.325,-2.871) 6(0.325,-2.871) 7(0.975,-2.871) 8(1.625,-2.871) 9(2.275,-2.871) 10(2.925,-2.871) 11(2.925,2.871) 12(2.275,2.871) 13(1.625,2.871) 14(0.975,2.871) 15(0.325,2.871) 16(-0.325,2.871) 17(-0.975,2.871) 18(-1.625,2.871) 19(-2.275,2.871) 20(-2.925,2.871)
R_0402_1005Metric
  rrect 0.54x0.64 smd: 1(-0.51,0) 2(0.51,0)
ShieldConnector
  round 1.7 hole 1: 1(0.2,0)
SWD_Pad
  rect 1.8x1.8 smd: 1(-5.02,0)
  round 1.8 smd: 2(-2.48,0) 3(0.06,0) 4(2.6,0) 5(5.14,0)
USB-C-SMD_TYPE-C-6PIN-2MD-073
  round 0.7 hole 0.7 unplated: (-2.89,1.305) (2.89,1.305)
  rect 0.55x1.1 smd: 1(-3.2,2.375) 2(-2.4,2.375) 11(2.4,2.375) 12(3.2,2.375)
  rect 0.3x1.1 smd: 3(-1.75,2.375) 4(-1.25,2.375) 5(-0.75,2.375) 6(-0.25,2.375) 7(0.25,2.375) 8(0.75,2.375) 9(1.25,2.375) 10(1.75,2.375)
  oval 1.1x2 hole 0.6x1.5: 13(-4.325,1.825) 14(4.325,1.825)
  oval 1.2x1.8 hole 0.6x1.2: 13(-4.325,-2.375) 14(4.325,-2.375)
VoltageRegulator
  rect 2.5x1.1 smd: 1(2.97,-2.3) 2(2.97,0) 3(2.97,2.3)
  rect 2.34x3.6 smd: 4(-2.97,0)

## Nets
Board_0-+3.3V: PSU_0_C2.1 PSU_0_C3.1 PSU_0_C5.1 PSU_0_R1.1 PSU_0_R2.2 PSU_0_U4.3 PSU_0_U5.1 PSU_0_U6.2 PSU_0_U6.4 PSU_0_U8.1
Board_0-+5V: PSU_0_C4.2 PSU_0_C6.1 PSU_0_C7.1 PSU_0_J1.4 PSU_0_U5.6 PSU_0_U6.3 PSU_0_U7.2 PSU_0_U7.11 PSU_0_U8.6 PSU_0_U9.1
Board_0-/DataTop1_3V3: PSU_0_U4.26 PSU_0_U5.3
Board_0-/DataTop1_5V: PSU_0_U5.4 PSU_0_U9.4
Board_0-/DataTop2_3V3: PSU_0_U4.27 PSU_0_U8.3
Board_0-/DataTop2_5V: PSU_0_U8.4 PSU_0_U9.2
Board_0-DIR1: PSU_0_U4.28 PSU_0_U5.5
Board_0-DIR2: PSU_0_U4.29 PSU_0_U8.5
Board_0-EN: PSU_0_C1.1 PSU_0_R1.2 PSU_0_U2.2 PSU_0_U4.8
Board_0-GND: PSU_0_C1.2 PSU_0_C2.2 PSU_0_C3.2 PSU_0_C4.1 PSU_0_C5.2 PSU_0_C6.2 PSU_0_C7.2 PSU_0_J1.1 PSU_0_R3.1 PSU_0_R4.1 PSU_0_U2.1 PSU_0_U3.1 PSU_0_U4.1 PSU_0_U4.2 PSU_0_U4.11 PSU_0_U4.14 PSU_0_U4.36 PSU_0_U4.37 PSU_0_U4.38 PSU_0_U4.39 PSU_0_U4.40 PSU_0_U4.41 PSU_0_U4.42 PSU_0_U4.43 PSU_0_U4.44 PSU_0_U4.45 PSU_0_U4.46 PSU_0_U4.47 PSU_0_U4.48 PSU_0_U4.49 PSU_0_U4.50 PSU_0_U4.51 PSU_0_U4.52 PSU_0_U4.53 PSU_0_U5.2 PSU_0_U6.1 PSU_0_U7.1 PSU_0_U7.12 PSU_0_U8.2 PSU_0_U9.3
Board_0-IO8: PSU_0_R2.1 PSU_0_U4.22
Board_0-IO9: PSU_0_U3.2 PSU_0_U4.23
Board_0-PWR_USB_CC1: PSU_0_R3.2 PSU_0_U7.4
Board_0-PWR_USB_CC2: PSU_0_R4.2 PSU_0_U7.10
Board_0-RX: PSU_0_J1.2 PSU_0_U4.30
Board_0-TX: PSU_0_J1.3 PSU_0_U4.31
Board_0-unconnected-(U4-IO0-Pad12): PSU_0_U4.12
Board_0-unconnected-(U4-IO1-Pad13): PSU_0_U4.13
Board_0-unconnected-(U4-IO2-Pad5): PSU_0_U4.5
Board_0-unconnected-(U4-IO3-Pad6): PSU_0_U4.6
Board_0-unconnected-(U4-IO4-Pad9): PSU_0_U4.9
Board_0-unconnected-(U4-IO5-Pad10): PSU_0_U4.10
Board_0-unconnected-(U4-IO6-Pad15): PSU_0_U4.15
Board_0-unconnected-(U4-IO7-Pad16): PSU_0_U4.16
Board_0-unconnected-(U4-IO14-Pad19): PSU_0_U4.19
Board_0-unconnected-(U4-IO15-Pad20): PSU_0_U4.20
Board_0-unconnected-(U4-IO18-Pad24): PSU_0_U4.24
Board_0-unconnected-(U4-IO19-Pad25): PSU_0_U4.25
Board_0-unconnected-(U4-NC-Pad4): PSU_0_U4.4
Board_0-unconnected-(U4-NC-Pad7): PSU_0_U4.7
Board_0-unconnected-(U4-NC-Pad21): PSU_0_U4.21
Board_0-unconnected-(U4-NC-Pad32): PSU_0_U4.32
Board_0-unconnected-(U4-NC-Pad33): PSU_0_U4.33
Board_0-unconnected-(U4-NC-Pad34): PSU_0_U4.34
Board_0-unconnected-(U4-NC-Pad35): PSU_0_U4.35
Board_0-unconnected-(U7-SBU1-Pad9): PSU_0_U7.9
Board_0-unconnected-(U7-SBU2-Pad3): PSU_0_U7.3
Board_0-unconnected-(U7-SHELL-Pad13)|Board_0-unconnected-(U7-SHELL-Pad13)_1: PSU_0_U7.13
Board_0-unconnected-(U7-SHELL-Pad14)|Board_0-unconnected-(U7-SHELL-Pad14)_1: PSU_0_U7.14
Board_0-USB_D+: PSU_0_U4.18 PSU_0_U7.6 PSU_0_U7.8
Board_0-USB_D-: PSU_0_U4.17 PSU_0_U7.5 PSU_0_U7.7
Board_1-+5V: M_1_C1.2 M_1_C2.2 M_1_C4.1 M_1_J1.2 M_1_LED1.3 M_1_LED2.3 M_1_LED3.3 M_1_LED4.3 M_1_PinHeaderBottom1.1 M_1_PinHeaderLeft1.1 M_1_PinHeaderRight1.1 M_1_PinHeaderTop1.1 M_1_R1.1 M_1_R2.1 M_1_R3.1 M_1_R4.1 M_1_R5.1 M_1_R6.1 M_1_R7.1 M_1_R8.1 M_1_U1.9 M_1_U6.1
Board_1-/DataBottom1: M_1_PinHeaderBottom1.2 M_1_R6.2 M_1_U1.17
Board_1-/DataBottom2: M_1_PinHeaderBottom1.4 M_1_R5.2 M_1_U1.16
Board_1-/DataLeft1: M_1_PinHeaderLeft1.2 M_1_R8.2 M_1_U1.12
Board_1-/DataLeft2: M_1_PinHeaderLeft1.4 M_1_R7.2 M_1_U1.11
Board_1-/DataRight1: M_1_PinHeaderRight1.2 M_1_R4.2 M_1_U1.1
Board_1-/DataRight2: M_1_PinHeaderRight1.4 M_1_R3.2 M_1_U1.2
Board_1-/DataTop1: M_1_PinHeaderTop1.2 M_1_R2.2 M_1_U1.6
Board_1-/DataTop2: M_1_PinHeaderTop1.4 M_1_R1.2 M_1_U1.5
Board_1-/HallAdc: M_1_C3.2 M_1_U1.20 M_1_U6.3
Board_1-/LedIn: M_1_LED1.2 M_1_U1.13
Board_1-/Reset: M_1_J1.5 M_1_U1.4
Board_1-/ShieldBottomLeft: M_1_J3.1 M_1_U1.14
Board_1-/ShieldBottomRight: M_1_J5.1 M_1_U1.19
Board_1-/ShieldTopLeft: M_1_J2.1 M_1_U1.10
Board_1-/ShieldTopRight: M_1_J4.1 M_1_U1.3
Board_1-/SWC: M_1_J1.4 M_1_U1.18
Board_1-/SWD: M_1_J1.3 M_1_U1.8
Board_1-GND: M_1_C1.1 M_1_C2.1 M_1_C3.1 M_1_C4.2 M_1_J1.1 M_1_LED1.1 M_1_LED2.1 M_1_LED3.1 M_1_LED4.1 M_1_PinHeaderBottom1.3 M_1_PinHeaderLeft1.3 M_1_PinHeaderRight1.3 M_1_PinHeaderTop1.3 M_1_U1.7 M_1_U6.2
